# KiCad board Spielmodul.kicad_pcb (continued)
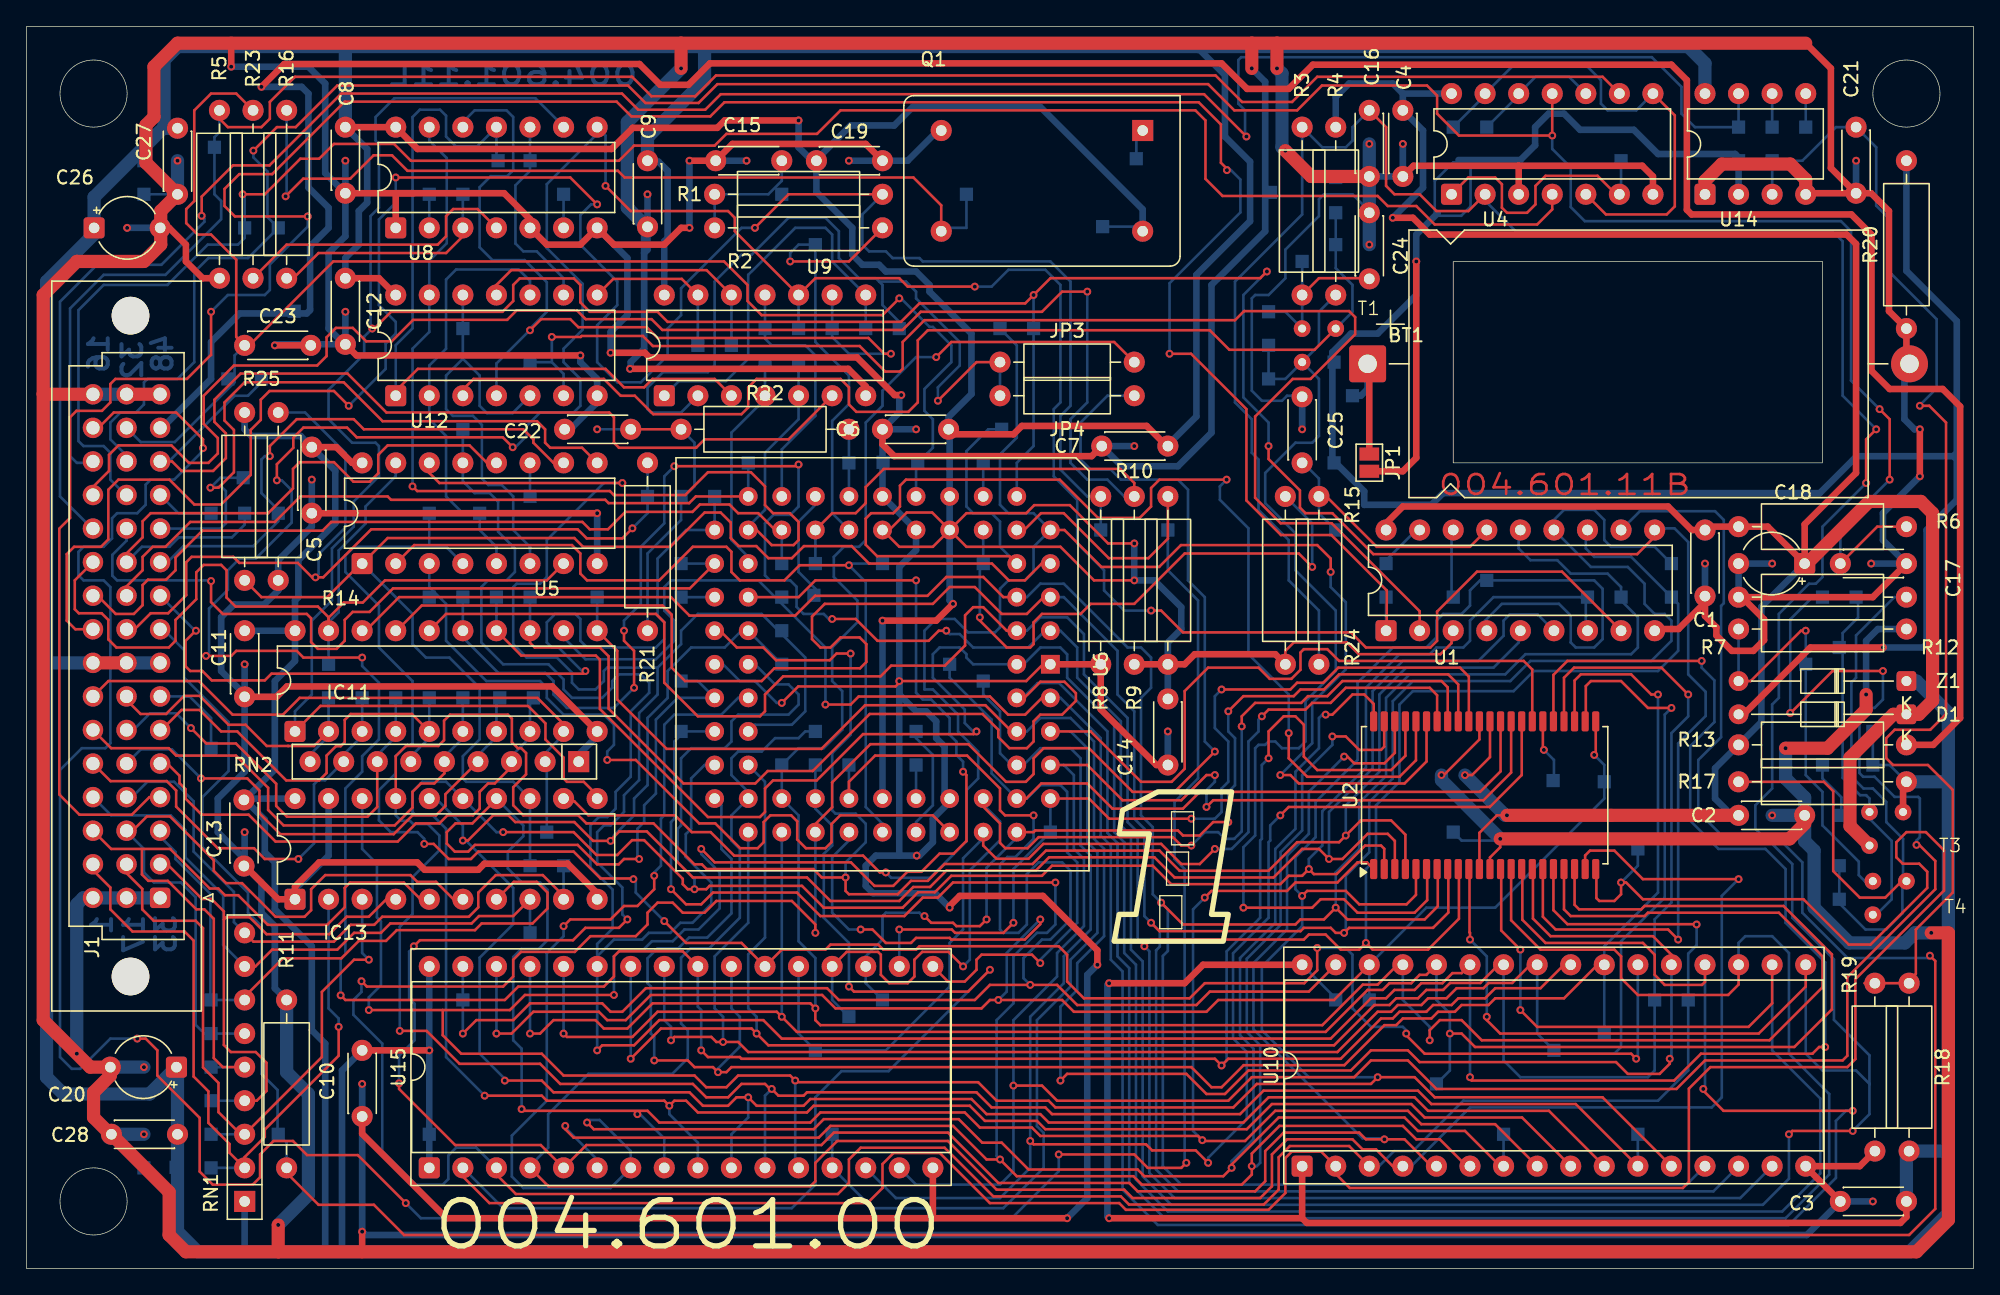
[diagram p0: board, top side]
## Routing (per net, layer and track width the routed paths; a pad name or vN(x,y) marks a point on that pad's centre or on a via; arc(x,y) is an arc through that point) (continued)
A2: length 285.2
  Top w0.2: 56.26,13.59 55.88,13.97 54.1,13.97 53.09,12.95 51.44,12.95 50.42,13.97 40.39,13.97 38.86,15.49 32.77,15.49 30.28,17.98 v1(28.24,17.98) ; v1(56.39,13.59) 56.9,13.08 58.8,13.08 59.05,13.34 71.88,13.34 73.03,12.19 77.09,12.19 77.6,11.68 91.82,11.68 93.6,13.46 105.28,13.46 106.3,12.45 117.22,12.45 U10.11 ; 52.48,48.26 53.75,46.99 55.75,46.99 56.72,46.02 60.78,46.02 61.29,46.53 v1(62.36,46.53) ; IC13.17 27.94,38.77 28.71,39.54 31.16,39.54 31.6,39.98 31.6,41.45 32.05,41.91 36.42,41.91 36.73,41.61 36.73,39.83 37.19,39.37 37.44,39.37 37.8,39.01 37.8,37.4 36.83,36.42 36.83,35.05 37.59,34.29 41.76,34.29 42.37,33.68 47.45,33.68 50.55,30.58 51.1,30.58 51.46,30.23 59.54,30.23 60.17,29.59 v1(61.98,29.59) 61.98,28.58 62.23,28.32 65.91,28.32 66.93,29.34 68.2,29.34 69.47,30.61 76.12,30.61 77.14,31.62 85.72,31.62 87.25,30.1 93.98,30.1 96.14,32.26 99.31,32.26 v1(99.82,32.77) 100.97,33.91 103.25,33.91 104.33,32.83 U2.4
  Bottom w0.2: 112.9,48.13 112.9,47.37 111,45.47 104.39,45.47 102.36,43.43 102.36,37.59 99.82,35.05 v1(99.82,32.77) ; IC13.17 27.94,34.29 28.35,33.88 29.01,33.88 29.26,33.63 30.38,33.63 31.24,32.77 31.24,31.65 29.21,29.62 29.21,26.82 28.24,25.86 v1(28.24,17.98) ; v1(61.98,29.59) 61.98,30.73 63.5,32.26 63.5,33.66 62.74,34.42 61.21,34.42 60.96,34.67 60.96,38.99 62.36,40.39 v1(62.36,46.53) ; v1(56.39,13.59) 55.88,13.08 U15.11 ; U10.11 TP93.1
A3: length 257.4
  Top w0.2: v1(36.19,14.22) 38.99,14.22 39.88,13.34 50.16,13.34 51.18,12.32 53.09,12.32 53.72,12.95 v1(54.61,12.95) 55.25,12.32 58.8,12.32 59.31,12.83 71.5,12.83 72.64,11.68 76.71,11.68 77.34,11.05 92.07,11.05 93.98,12.95 105.03,12.95 106.04,11.94 115.19,11.94 U10.10 ; U2.3 103.53,32.36 103,32.89 101.47,32.89 99.57,30.99 v1(98.55,30.99) 97.79,31.75 96.52,31.75 94.36,29.59 86.87,29.59 85.34,31.11 77.37,31.11 76.37,30.12 69.62,30.12 68.37,28.87 67.1,28.87 66.04,27.81 60.83,27.81 59.05,29.59 50.42,29.59 46.94,33.07 44.86,33.07 44.2,32.41 v1(44.2,32.36) 42.88,32.36 41.45,33.78 36.98,33.78 36.47,34.29 35.31,34.29 33.4,32.39 v1(33.02,32.39)
  Bottom w0.2: v1(54.61,12.95) 54.61,11.43 53.34,10.16 U15.10 ; 30.99,35.56 33.02,33.53 v1(33.02,32.39) 33.25,32.39 36.83,28.8 36.83,26.06 34.29,23.52 34.29,16.26 36.19,14.35 v1(36.19,14.22) ; v1(44.2,32.36) 44.45,32.61 44.45,32.77 45.97,34.29 45.97,35.56 46.99,36.58 46.99,41.66 48.51,43.18 48.51,45.21 50.29,46.99 52.83,46.99 54.1,48.26 ; U1.6 114.34,49.49 112.23,49.49 111.76,49.02 111.76,47.88 109.85,45.97 104.14,45.97 101.85,43.69 101.85,37.85 98.55,34.54 v1(98.55,30.99) ; U6.34 TP61.1
A4: length 267.4
  Top w0.2: v1(34.67,13.08) 38.99,13.08 39.37,12.7 48.26,12.7 v1(48.64,12.32) 49.02,12.7 49.91,12.7 50.8,11.81 59.05,11.81 59.56,12.32 71.37,12.32 72.52,11.18 76.45,11.18 77.09,10.54 92.33,10.54 94.23,12.45 104.78,12.45 105.79,11.43 113.16,11.43 U10.9 ; v1(36.07,33.02) 41.4,33.02 43.13,31.29 44.7,31.29 45.82,32.41 46.74,32.41 49.66,29.49 49.66,29.08 50.04,28.7 v1(50.55,28.7) 51.44,28.7 51.69,28.96 58.67,28.96 60.33,27.31 66.29,27.31 67.46,28.47 68.73,28.47 69.98,29.72 76.84,29.72 77.6,30.48 85.22,30.48 86.61,29.08 94.87,29.08 95.5,29.72 96.52,29.72 v1(97.03,30.23) 97.41,29.84 99.12,29.84 101.28,32 102.49,32 102.73,31.76 U2.2
  Bottom w0.2: 55.12,45.72 56.64,44.2 57.66,44.2 58.42,43.43 58.42,42.67 57.66,41.91 53.85,41.91 53.34,41.4 53.34,39.88 52.83,39.37 50.29,39.37 49.53,38.61 49.53,33.53 49.28,33.27 49.28,30.73 50.55,29.46 v1(50.55,28.7) ; v1(36.07,33.02) 35.56,33.02 IC13.15 31.75,36.83 29.96,36.83 29.21,36.08 29.21,34.54 29.46,34.29 30.73,34.29 31.75,33.27 31.75,16 v1(34.67,13.08) ; U15.9 50.8,9.53 48.64,11.68 v1(48.64,12.32) ; 117.98,48.39 117.98,50.42 ; v1(97.03,30.23) 97.03,30.99 98.04,32 98.04,34.6 101.35,37.91 101.35,43.94 103.89,46.48 106.17,46.48 106.68,46.99 108.71,46.99 109.22,47.5 109.22,49.02 111,50.8 117.6,50.8 117.86,50.55
A5: length 189.1
  Top w0.2: 35.56,35.5 33.74,33.68 32.46,33.68 31.8,33.02 31.8,32.16 32.41,31.55 33.43,31.55 33.93,32.05 41.71,32.05 43.18,30.58 44.81,30.58 45.21,30.99 v1(46.36,30.99) ; U2.1 101.42,30.73 100.71,30.73 99.19,29.21 96.01,29.21 95.38,28.58 89.66,28.58 v1(89.15,28.07) ; U10.8 111.12,10.92 105.54,10.92 104.52,11.94 94.49,11.94 92.2,9.65 89.03,9.65 v1(88.96,9.72) 88.65,10.03 76.71,10.03 76.07,10.67 72.14,10.67 70.99,11.81 60.07,11.81 59.31,11.05 47.88,11.05 46.99,11.94 37.59,11.94 v1(37.47,12.06)
  Bottom w0.2: TP67.1 50.8,44.45 U6.37 49.28,43.18 47.62,41.53 47.62,35.94 46.74,35.05 46.74,33.78 46.23,33.27 46.23,31.11 v1(46.36,30.99) ; v1(37.47,12.06) 37.47,16.64 36.83,17.27 36.83,23.57 37.44,24.18 38.76,24.18 39.42,24.84 39.42,28.65 38.86,29.21 37.49,29.21 36.42,30.28 36.42,31.55 37.59,32.72 37.59,33.53 IC13.14 ; v1(88.96,9.72) 88.26,10.41 88.26,27.18 v1(89.15,28.07) ; v1(46.23,11.68) 46.29,11.75 46.36,11.75 48.26,9.84 U15.8
A6: length 185.6
  Top w0.2: v1(47.5,29.72) 47.5,28.7 46.23,27.43 45.21,27.43 44.2,26.42 41.15,26.42 v1(40.64,25.91) ; v1(42.42,11.05) 42.93,10.54 59.56,10.54 60.33,11.3 70.54,11.3 72.32,9.53 73.79,9.53 75.82,7.49 84.07,7.49 84.58,6.99 90.55,6.99 v1(91.19,7.62) 91.19,7.87 94.74,11.43 104.27,11.43 105.28,10.41 108.84,10.41 111.51,7.75 ; v1(98.3,41.91) 98.81,41.91 100.33,43.43 101.22,43.43 101.93,42.72 101.93,41.4
  Bottom w0.2: U10.7 TP94.1 ; U6.38 53.85,43.18 52.58,41.91 49.02,41.91 48.26,41.15 48.26,34.29 48.01,34.04 48.01,30.48 47.5,29.97 v1(47.5,29.72) ; v1(40.64,25.91) 40.64,25.15 39.37,23.88 39.37,12.7 36.73,10.06 36.73,6.96 37.59,6.1 44.2,6.1 U15.7 45.72,8.89 43.37,11.24 42.61,11.24 v1(42.42,11.05) ; v1(91.19,7.62) 91.19,8.13 92.84,9.78 92.84,16.64 91.82,17.65 91.82,23.5 94.49,26.16 94.49,31.75 96.01,33.27 96.01,37.59 97.79,39.37 97.79,41.66 98.04,41.91 v1(98.3,41.91)
A7: length 190.7
  Top w0.2: 108.97,7.75 106.93,9.78 105.16,9.78 104.14,10.79 94.81,10.79 92.71,8.7 v1(92.71,7.75) 92.71,7.11 91.95,6.35 84.39,6.35 83.76,6.99 74.93,6.99 v1(73.66,8.25) 72.64,8.25 70.1,10.79 60.83,10.79 59.94,9.91 41.4,9.91 40.77,10.54 v1(40.77,10.79) ; 102.73,41.4 102.73,39.49 102.49,39.24 100.84,39.24 99.82,40.26 v1(98.81,40.26) ; v1(48.77,28.7) 49.91,27.56 51.05,27.56 51.94,28.45 58.29,28.45 60.07,26.67 66.42,26.67 67.82,28.07 68.96,28.07 70.1,29.21 v1(77.85,29.21)
  Bottom w0.2: v1(77.85,29.21) 77.85,26.03 77.22,25.4 76.45,25.4 74.68,23.62 74.68,20.07 73.41,18.8 73.41,8.51 v1(73.66,8.25) ; v1(40.77,10.79) 40.77,10.67 43.18,8.25 ; v1(48.77,28.7) 48.77,33.78 49.02,34.04 49.02,39.88 49.78,40.64 U6.39 ; v1(92.71,7.75) 93.09,7.75 93.34,8 93.34,16.89 92.33,17.91 92.33,23.44 94.89,26 94.89,31.52 96.52,33.15 96.52,37.34 98.81,39.62 v1(98.81,40.26)
A8: length 253
  Top w0.2: v1(45.47,26.42) 44.83,25.78 42.29,25.78 41.35,24.84 29.77,24.84 v1(29.31,24.38) ; 106.3,7.75 104.27,9.78 v1(102.74,9.78) 101.35,9.78 100.84,10.29 95.12,10.29 93.73,8.89 93.73,6.6 92.96,5.84 84.07,5.84 83.44,6.48 73.53,6.48 69.72,10.29 61.09,10.29 60.15,9.35 42.37,9.35 U15.5 38.91,9.35 32.44,9.35 28.19,13.59 v1(28.19,14.02) ; v1(99.69,38.73) 99.95,38.73 100.46,38.23 102.74,38.23 103.53,39.02 103.53,41.4 ; U5.14 30.48,60.2 31.24,59.44 v1(45.08,59.44)
  Bottom w0.2: U6.40 55.12,41.15 57.91,41.15 58.93,42.16 58.93,46.23 55.63,49.53 50.8,49.53 49.53,48.26 49.53,47.24 47.75,45.47 ; 47.75,45.47 43.94,45.47 43.69,45.21 43.69,44.45 43.05,43.81 41.78,43.81 41.27,44.32 41.27,45.09 40.13,46.23 37.85,46.23 36.83,47.24 36.83,51.56 37.08,51.82 38.86,51.82 39.37,52.32 39.37,55.12 43.69,59.44 v1(45.08,59.44) ; 47.75,45.47 47.75,43.43 46.36,42.04 46.36,36.96 45.21,35.81 45.21,34.54 44.2,33.53 43.69,33.53 43.18,33.02 43.18,30.73 45.08,28.83 45.08,26.8 v1(45.47,26.42) ; v1(99.69,38.73) 97.03,36.07 97.03,32.89 95.38,31.24 95.38,25.65 92.84,23.11 92.84,18.1 101.08,9.86 102.67,9.86 v1(102.74,9.78) ; v1(28.19,14.02) 28.19,16.1 29.36,17.27 29.36,20.04 28.96,20.45 28.96,23.98 29.31,24.33 v1(29.31,24.38)
A9: length 249.2
  Top w0.2: v1(126.75,45.97) 116.59,45.97 115.53,44.92 115.53,41.4 ; U10.27 108.59,22.35 107.89,22.35 107.13,21.59 105.54,21.59 105.03,21.08 103.5,21.08 102.87,20.45 101.73,20.45 98.68,17.4 57.15,17.4 55.75,18.8 47.88,18.8 45.97,16.89 43.56,16.89 v1(43.18,16.51) ; v1(109.22,14.48) 109.22,14.35 109.35,14.22 124.66,14.22 126.7,16.26 135.13,16.26 135.64,16.76 v1(136.09,16.76)
  Bottom w0.2: TP85.1 U5.13 33.02,59.56 33.91,58.67 35.05,58.67 35.69,58.04 35.69,55.75 36.96,54.48 36.96,52.7 36.32,52.07 34.92,52.07 34.42,51.56 34.42,47.37 36.07,45.72 39.5,45.72 40.64,44.58 40.64,43.81 41.27,43.18 43.56,43.18 44.32,43.94 44.32,44.45 44.83,44.96 46.48,44.96 47.12,44.32 47.12,43.56 45.72,42.16 45.72,37.21 44.58,36.07 44.58,34.8 43.94,34.16 43.31,34.16 42.67,33.53 42.67,30.35 44.35,28.68 44.35,25.73 43.18,24.56 U15.27 v1(43.18,16.51) ; U10.27 v1(109.22,14.48) ; U6.41 51.31,38.1 50.29,37.08 50.29,33.27 49.89,32.87 49.89,31.14 51.82,29.21 51.82,27.58 50.39,26.16 49.48,26.16 48.72,25.4 47.09,25.4 46.58,24.89 44.45,24.89 43.18,23.62 43.18,23.37 ; v1(136.09,16.76) 136.09,23.16 133.1,26.16 133.1,30.23 131.57,31.75 128.02,31.75 125.88,33.88 125.88,39.52 127.71,41.35 127.71,44.5 126.75,45.47 v1(126.75,45.97)
A10: length 161
  Top w0.2: 111.38,22.99 110,21.61 107.72,21.61 107.19,21.08 105.92,21.08 105.28,20.45 103.63,20.45 103.12,19.94 101.98,19.94 98.93,16.89 56.13,16.89 v1(55.25,17.78) 54.86,18.16 48.01,18.16 v1(45.72,15.88) ; v1(125.73,43.43) 123.7,45.47 117.09,45.47 116.33,44.7 116.33,41.4
  Bottom w0.2: U10.26 111.76,15.75 113.03,14.48 122.68,14.48 123.19,14.99 123.19,26.42 124.46,27.69 124.46,40.51 125.73,41.78 v1(125.73,43.43) ; v1(55.25,17.78) 55.25,19.05 54.61,19.69 54.61,23.77 55.88,25.04 55.88,36.83 U6.42 ; U15.26 v1(45.72,15.88)
A11: length 147.8
  Top w0.2: 118.87,22.99 116.33,20.45 111.12,20.45 110.62,19.94 108.59,19.94 108.08,19.43 106.81,19.43 106.3,18.92 104.14,18.92 103.63,18.42 102.74,18.42 99.72,15.39 92.09,15.39 90.42,13.72 89.66,13.72 88.14,15.24 53.34,15.24 52.96,14.86 v1(52.32,14.86) 51.94,15.24 50.55,15.24 50.04,15.75 v1(47.5,15.75) ; 117.13,41.4 117.13,44.49 117.6,44.96 121.41,44.96 122.94,43.43 v1(123.44,43.43)
  Bottom w0.2: TP97.1 U10.23 119.38,24.38 123.44,28.45 v1(123.44,43.43) ; v1(47.5,15.75) 47.5,17.53 47.24,17.78 47.24,21.34 46.99,21.59 46.99,23.47 47.75,24.23 49.33,24.23 50.14,25.04 51.51,25.04 53.34,26.87 53.34,30.99 52.58,31.75 52.58,35.05 U6.43 ; v1(52.32,14.86) 52.32,15.14 53.97,16.79 53.97,19.05 53.34,19.69 U15.23
A12: length 141.2
  Top w0.2: 117.98,41.27 117.98,44.07 118.36,44.45 120.65,44.45 122.68,42.42 v1(124.46,42.42) ; v1(48.77,17.27) 49.02,17.53 51.82,17.53 52.2,17.14 v1(52.7,17.14) 53.85,17.14 54.61,16.38 99.19,16.38 102.23,19.43 103.25,19.43 103.76,19.94 105.54,19.94 106.04,20.45 107.44,20.45 108.2,21.21 110.24,21.21 110.64,21.61 112.41,21.61 113.79,22.99
  Bottom w0.2: v1(124.46,42.42) 123.95,41.91 123.95,28.07 120.65,24.77 120.65,16.76 120.14,16.26 115.82,16.26 114.3,17.78 U10.25 ; U6.44 54.61,26.16 52.07,23.62 52.07,19.69 52.7,19.05 v1(52.7,17.14) ; U15.25 48.26,18.8 48.77,18.29 v1(48.77,17.27)
A13: length 181.5
  Top w0.2: v1(129.54,29.46) 122.3,29.46 120.14,31.62 118.3,31.62 117.93,31.25 U2.21 ; U15.4 39.5,6.22 59.31,6.22 59.69,6.6 59.69,8 61.34,9.65 69.72,9.65 73.41,5.97 83.06,5.97 83.69,5.33 93.34,5.33 94.23,6.22 94.23,8.64 95.38,9.78 100.33,9.78 101.09,9.02 102.11,9.02 103.38,7.75 U10.4
  Bottom w0.2: 104.78,7.75 109.22,12.19 127.51,12.19 128.27,12.95 128.27,28.19 v1(129.54,29.46) ; TP65.1 58.93,40.64 58.42,40.13 56.64,40.13 55.63,39.12 53.85,39.12 53.34,38.61 53.34,37.34 54.61,36.07 ; U6.45 53.34,34.29 53.34,32.39 53.97,31.75 53.97,26.54 51.66,24.23 50.25,24.23 49.53,23.51 49.53,18.54 50.04,18.03 50.04,15.9 48.87,14.73 42.52,14.73 39.47,11.68 39.47,9.14 38.1,7.77
A14: length 157.2
  Top w0.2: U10.28 105.92,22.22 105.41,22.22 104.78,21.59 103.12,21.59 102.62,21.08 101.47,21.08 98.3,17.91 58.29,17.91 v1(57.15,19.05) 56.77,19.43 47.75,19.43 45.85,17.53 40.89,17.53 v1(40.64,17.78) ; U2.20 117.13,27.52 117.47,27.18 122.17,27.18 122.43,27.43 132.94,27.43 136.6,23.77 136.6,19.61 133.76,16.76 109.6,16.76 108.59,17.78 v1(107.7,17.78)
  Bottom w0.2: U15.28 v1(40.64,17.78) ; U10.28 106.68,20.32 107.7,19.3 v1(107.7,17.78) 107.7,14.99 TP125.1 ; U6.46 v1(57.15,19.05)
A15: length 217.6
  Top w0.2: v1(68.83,68.96) 69.98,70.1 82.3,70.1 JP3.2 ; U2.19 116.33,27.18 116.84,26.67 122.43,26.67 122.68,26.92 132.59,26.92 135.89,23.62 135.89,21.29 131.88,17.27 110.11,17.27 108.59,18.8 106.93,18.8 106.17,18.03 v1(106.17,17.27) ; v1(38.1,17.78) 38.86,17.78 39.88,18.8 43.05,18.8 43.69,18.16 45.47,18.16 47.37,20.07 59.31,20.07 v1(59.69,19.69) 59.69,18.8 60.07,18.42 98.04,18.42 101.11,21.48 102.23,21.48 103.74,22.99
  Bottom w0.2: U10.29 104.14,20.32 106.17,18.29 v1(106.17,17.27) ; v1(68.83,68.96) 67.31,68.96 64.77,66.42 64.77,65.28 63.5,64.01 63.5,55.12 62.99,54.61 61.85,54.61 61.09,53.85 61.09,52.32 62.87,50.55 62.87,48.89 60.96,46.99 60.96,44.45 61.72,43.69 61.72,40.77 60.33,39.37 58.42,39.37 TP19.1 U6.47 58.42,34.29 58.42,24.77 59.69,23.5 v1(59.69,19.69) ; U15.29 v1(38.1,17.78)
A16: length 279.1
  Top w0.2: 35.56,7.11 37.03,5.64 61.39,5.64 62.23,6.48 62.23,8.25 63.12,9.14 69.47,9.14 73.15,5.46 82.8,5.46 83.42,4.85 93.62,4.85 94.74,5.97 94.74,8.42 95.59,9.27 100.08,9.27 U10.3 ; v1(89.92,39.12) 86.87,36.07 83.69,36.07 80.39,39.37 76.96,39.37 76.2,38.61 76.2,37.41 75.62,36.83 74.12,36.83 71.27,39.67 63.86,39.67 60.96,36.78 60.96,34.9 59.69,33.63 ; U2.18 115.53,27.11 116.59,26.06 126.34,26.06 v1(126.37,26.03) ; v1(25.35,21.74) 25.76,21.34 36.07,21.34 36.83,22.1 36.83,23.37 37.42,23.96 41.49,23.96 42.67,25.15 46.1,25.15 46.99,26.03 46.99,26.92 47.75,27.69 48.89,27.69 49.66,26.92 51.31,26.92 52.2,27.81 57.91,27.81 59.69,26.03 v1(59.69,25.4)
  Bottom w0.2: v1(25.35,21.74) 25.35,20.93 24.74,20.32 24.74,19.2 26.92,17.02 26.92,8.89 29.46,6.35 31.5,6.35 31.92,6.77 31.92,8.55 32.51,9.14 34.04,9.14 U15.3 ; U10.3 102.34,7.75 103.48,8.89 104.9,8.89 108.71,12.7 123.44,12.7 125.73,14.99 TP98.1 125.73,23.83 126.37,24.46 v1(126.37,26.03) ; v1(89.92,39.12) 89.15,39.88 89.15,50.8 87.88,52.07 87.88,58.93 87.12,59.69 82.8,59.69 82.04,60.45 80.52,60.45 79.76,61.21 79.76,64.01 81.79,66.04 JP4.2 ; U6.48 v1(59.69,25.4)
A17: length 268.7
  Top w0.2: 99.06,7.16 100.13,6.1 125.32,6.1 125.78,6.55 125.78,13.61 127.41,15.24 137.77,15.24 138.38,15.85 138.38,21.89 145.08,28.6 145.08,31.65 143.71,33.02 142.24,33.02 141.48,32.26 141.48,31.11 141.96,30.63 143.21,30.63 143.81,30.02 143.81,28.8 139.52,24.51 137.88,24.51 134.45,27.94 122.3,27.94 121.03,29.21 v1(120.65,29.21) 120.65,28.32 120.14,27.81 119,27.81 118.78,28.03 118.78,30.1 ; v1(72.9,22.61) 71.25,20.95 62.61,20.95 v1(62.23,21.34) ; 33.02,6.96 35.03,4.95 63.63,4.95 64.77,6.1 64.77,7.91 65.61,8.74 69.11,8.74 72.9,4.95 82.68,4.95 83.19,4.44 93.98,4.44 95.25,5.72 95.25,8.36 95.73,8.85 97.96,8.85 U10.2
  Bottom w0.2: TP18.1 U6.49 59.69,34.8 60.96,33.53 60.96,32 60.33,31.37 60.33,26.54 62.23,24.64 v1(62.23,21.34) ; TP92.1 121.92,30.48 v1(120.65,29.21) ; U15.2 36.07,4.57 57.91,4.57 59.69,6.35 59.69,12.95 61.67,14.94 65.23,14.94 v1(72.9,22.61)
A18: length 139.3
  Top w0.2: v1(118.62,38.86) 118.73,38.98 118.73,41.4 ; U10.30 98.93,20.32 90.17,20.32 89.28,19.43 79.25,19.43 78.36,20.32 v1(73.53,20.32) 72.9,20.32 72.26,19.69 61.21,19.69 60.2,20.7 47.24,20.7 45.34,18.8 43.94,18.8 43.31,19.43 38.35,19.43 36.7,17.78 v1(35.56,17.78) ; v1(63.12,25.65) 64.01,25.65 65.02,24.64 66.93,24.64 67.31,25.02 69.85,25.02 69.98,24.89 75.54,24.89 76.71,26.06 v1(76.71,26.42)
  Bottom w0.2: TP106.1 119.38,35.56 111.12,27.31 105.92,27.31 U10.30 TP52.1 ; 119.38,36.58 119.38,38.1 v1(118.62,38.86) ; v1(76.71,26.42) 74.17,23.88 74.17,20.95 v1(73.53,20.32) ; v1(63.12,25.65) 62.23,25.65 60.96,26.92 60.96,31.11 62.23,32.39 U6.50 ; U15.30 v1(35.56,17.78)
A19: length 128.1
  Top w0.2: v1(33.02,17.78) 34.04,18.8 36.83,18.8 38.1,20.07 43.56,20.07 44.2,19.43 45.08,19.43 46.86,21.21 60.58,21.21 61.47,20.32 71.75,20.32 72.9,21.46 v1(75.95,21.46) 77.98,21.46 79.5,19.94 88.52,19.94 89.53,20.95 97.03,20.95 U10.31 ; v1(76.2,34.29) 74.04,34.29 73.66,34.67 73.66,36.32 71.17,38.81 64.21,38.81 62.23,36.83 U6.51
  Bottom w0.2: U6.51 TP20.1 ; v1(75.95,21.46) 75.44,21.97 75.44,23.5 76.84,24.89 77.47,24.89 78.99,26.42 78.99,30.1 78.36,30.73 76.58,30.73 75.69,29.84 75.69,26.03 75.06,25.4 73.91,25.4 73.66,25.65 73.66,30.58 74.22,31.14 74.83,31.14 76.2,32.51 v1(76.2,34.29) ; U15.31 v1(33.02,17.78)
A20: length 64.2
  Top w0.2: v1(62.23,53.21) 58.5,53.21 57.35,52.07 53.97,52.07 53.34,52.7 53.34,54.23 52.96,54.61 50.42,54.61 47.88,52.07 42.42,52.07 41.91,52.58 41.91,54.1 41.27,54.74 29.34,54.74 U5.2
  Bottom w0.2: TP143.1 62.36,53.34 v1(62.23,53.21) 63.5,51.94 63.5,34.92 64.77,33.66 U6.52
A21: length 8.7
  Bottom w0.2: U6.54 67.31,33.78 68.58,35.05 68.58,38.86 67.31,40.13 TP22.1
A22: length 2.5
  Bottom w0.2: U6.55 TP23.1
A23: length 59.8
  Top w0.2: U6.56 68.58,34.29 61.57,34.29 60.91,33.63 60.91,32.26 60.45,31.8 58.98,31.8 58.32,32.46 58.32,33.83 57.86,34.29 56.29,34.29 55.78,33.78 55.78,32.26 55.32,31.8 54,31.8 52.12,33.68 50.9,33.68 46.1,38.48 v1(43.94,38.48)
  Bottom w0.2: v1(43.94,38.48) 43.94,39.12 44.45,39.62 44.45,41.15 43.69,41.91 40.64,41.91 39.37,43.18 39.37,43.94 38.86,44.45 34.8,44.45 31.75,47.5 31.75,50.29 30.48,51.56 U5.3
AS: length 100.6
  Top w0.2: 25.04,53.09 22.76,50.8 17.78,50.8 R25.1 ; U5.1 27.33,55.27 41.45,55.27 42.11,54.61 48.72,54.61 51.31,57.2 52.53,57.2 53.29,56.44 53.29,55.27 53.9,54.66 55.22,54.66 56.13,53.75 57.91,53.75 58.83,54.66 62.43,54.66 63.75,53.34 73.05,53.34 74.32,52.07 75.54,52.07 76.81,53.34 U6.7
  Bottom w0.2: TP69.1 IC13.13 36.83,36.83 33.27,36.83 33.02,37.08 33.02,38.77 34.29,40.04 34.29,43.94 32,46.23 30.23,46.23 29.21,47.24 29.21,49.53 U5.1
CLK: length 111.3
  Top w0.2: 16.87,69.85 23.22,76.2 52.78,76.2 54.56,74.42 54.56,73.2 55.63,72.14 64.77,72.14 v1(66.04,73.41) ; 16,70.36 15.88,70.48 15.88,76.33 13.97,78.23 12.95,78.23 12.09,79.1 12.09,80.16 12.7,80.77 12.7,87.63 13.97,88.9 15.88,88.9 R23.2
  Bottom w0.2: J1.b15 8.65,62.53 11.22,62.53 15.75,67.06 15.75,69.09 C23.1 ; v1(66.04,73.41) 66.17,73.41 68.33,71.25 68.58,71.25 69.98,69.85 69.98,68.58 67.94,66.55 67.94,64.9 68.58,64.26 68.58,62.1 67.82,61.34 ; U6.16 67.31,60.83
D0: length 226.6
  Top w0.2: v1(85.85,27.69) 87.5,26.03 96.01,26.03 96.39,26.42 98.17,26.42 v1(99.06,27.31) 99.95,26.42 105.79,26.42 106.78,27.41 106.78,30.1 ; 25.65,48.26 28.19,50.8 48.77,50.8 50.16,49.4 58.17,49.4 59.66,50.9 68.17,50.9 69.6,52.32 72.39,52.32 73.91,50.8 U6.6
  Bottom w0.2: U6.6 75.69,50.8 76.71,51.82 78.49,51.82 83.31,46.99 84.33,46.99 85.09,46.23 85.09,43.94 84.33,43.18 84.33,34.29 85.22,33.4 85.22,28.32 v1(85.85,27.69) 86.36,27.18 86.36,24.03 85.98,23.65 85.98,7.75 87.38,6.35 125.6,6.35 U10.13 ; 112.9,55.75 112.9,54.48 113.79,53.59 115.82,53.59 116.84,52.58 119.63,52.58 120.65,51.56 120.65,50.55 121.92,49.28 121.92,46.99 121.41,46.48 113.41,46.48 111.89,44.96 104.65,44.96 102.87,43.18 102.87,37.28 100.84,35.25 100.84,31.75 99.06,29.97 v1(99.06,27.31)
D1: length 257
  Top w0.2: 107.58,30.1 107.58,26.94 106.43,25.78 100.08,25.78 v1(99.69,25.4) 99.06,25.4 98.68,25.78 96.65,25.78 96.39,25.53 85.72,25.53 v1(85.09,26.16) ; 76.96,50.8 75.69,49.53 73.79,49.53 71.75,51.56 69.85,51.56 68.58,50.29 60.4,50.29 59.44,49.33 59.44,47.62 60.07,46.99 60.83,46.99 61.59,47.75 63.04,47.75 63.55,47.24 63.55,45.9 63.07,45.42 56.59,45.42 55.63,44.45 49.83,44.45 48.82,45.47 48.82,49.48 48.13,50.17 29.91,50.17 28,48.26
  Bottom w0.2: U10.14 127.63,5.84 87.12,5.84 85.47,7.49 85.47,24.08 85.75,24.36 85.75,25.5 v1(85.09,26.16) 84.58,26.67 84.58,33.27 83.82,34.04 83.82,42.16 82.55,43.43 82.55,46.74 78.49,50.8 U6.5 ; 124.21,53.59 123.19,54.61 119.89,54.61 119.38,55.12 119.38,56.64 118.62,57.4 116.33,57.4 115.44,56.52 ; U1.13 118.36,53.09 121.16,53.09 122.43,51.82 122.43,50.29 123.19,49.53 123.95,49.53 124.46,49.02 124.46,47.5 122.94,45.97 113.79,45.97 112.27,44.45 104.9,44.45 103.38,42.93 103.38,37.08 101.6,35.31 101.6,31.5 99.82,29.72 99.82,25.53 v1(99.69,25.4)
D2: length 239.9
  Top w0.2: IC11.16 31.75,49.53 47.62,49.53 48.26,48.89 48.26,44.32 50.8,41.78 55.5,41.78 55.88,42.16 55.88,43.43 57.25,44.81 64.62,44.81 65.43,45.62 69.49,45.62 71.02,47.14 71.02,49.43 71.63,50.04 72.39,50.04 74.17,48.26 U6.4 ; 108.38,30.1 108.38,26.47 106.04,24.13 101.85,24.13 v1(101.35,24.64) 100.84,24.13 99.44,24.13 98.3,25.27 97.03,25.27 96.65,24.89 85.09,24.89 v1(84.58,24.38)
  Bottom w0.2: U10.15 129.67,5.33 86.87,5.33 84.96,7.24 84.96,24 v1(84.58,24.38) 84.07,24.89 84.07,33.02 83.31,33.78 83.31,41.66 80.01,44.96 80.01,48.01 78.74,49.27 76.7,49.27 75.69,48.26 U6.4 ; 117.98,55.75 117.98,54.48 118.62,53.85 121.41,53.85 124.97,50.29 124.97,46.74 123.44,45.21 114.05,45.21 112.52,43.69 104.9,43.69 103.89,42.67 103.89,36.83 102.11,35.05 102.11,30.99 101.35,30.23 v1(101.35,24.64)
D3: length 301.7
  Top w0.2: v1(110.49,19.05) 110.49,18.8 111.51,17.78 131.06,17.78 134.62,21.34 U10.17 ; v1(58.42,60.83) 58.29,60.71 v1(49.02,60.71) ; v1(60.96,49.15) 62.74,49.15 64.39,47.5 68.26,47.5 69.02,48.26 v1(69.6,48.26) ; v1(45.21,48.26) 45.21,47.5 45.97,46.74 v1(45.97,43.94) ; v1(109.22,24.89) 109.22,25.4 109.18,25.44 109.18,30.1 ; v1(138.18,10.41) 133.6,10.41 v1(133.35,10.16)
  Bottom w0.2: v1(49.02,60.71) 48.26,59.94 48.26,56.39 46.48,54.61 46.48,50.29 45.21,49.02 v1(45.21,48.26) ; v1(138.18,10.41) 139.45,11.68 139.45,13.97 ; v1(45.97,43.94) 44.45,42.42 40.89,42.42 39.88,43.43 39.88,44.45 39.26,45.06 35.71,45.06 33.02,47.75 ; v1(109.22,24.89) 110.49,23.62 v1(110.49,19.05) ; U1.11 122.07,57.3 127.76,57.3 128.42,56.64 128.42,50.34 128.22,50.14 128.22,40.21 126.49,38.48 126.49,34.54 128.78,32.26 131.95,32.26 133.6,30.61 133.6,26.54 136.75,23.39 136.75,18.82 139.45,16.13 139.45,13.97 ; IC11.15 TP73.1 ; 139.45,13.97 138.43,14.99 135.89,14.99 134.62,16.26 U10.17 ; U6.3 78.23,48.26 79.5,46.99 79.5,44.7 82.8,41.4 82.8,33.53 83.57,32.77 83.57,24.13 84.45,23.24 84.45,6.99 86.61,4.83 131.38,4.83 133.35,6.79 v1(133.35,10.16) ; v1(69.6,48.26) 69.85,48.01 70.61,48.01 71.63,46.99 75.79,46.99 77.06,48.26 ; v1(58.42,60.83) 58.42,57.66 57.78,57.02 56.52,57.02 55.88,56.39 55.88,52.45 56.26,52.07 57.78,52.07 58.27,51.59 58.27,50.06 58.8,49.53 60.33,49.53 60.71,49.15 v1(60.96,49.15)
D4: length 216.8
  Top w0.2: IC11.14 37.44,46.38 43.08,46.38 43.38,46.08 43.38,42.34 51.56,34.16 55.5,34.16 55.88,34.54 55.88,36.32 56.49,36.93 59.79,36.93 63.3,40.44 71.68,40.44 v1(71.88,40.64) ; v1(113.03,19.56) 114.3,18.29 130.3,18.29 132.08,20.07 U10.18 ; 111.58,30.1 111.58,25.58 v1(113.03,24.13)
  Bottom w0.2: U6.2 71.63,45.72 71.12,46.23 71.12,46.48 70.61,46.99 69.09,46.99 68.58,46.48 68.58,44.7 70.99,42.29 70.99,41.28 71.63,40.64 v1(71.88,40.64) ; IC11.14 TP72.1 ; U10.18 132.08,16.51 135.72,12.87 135.72,7.2 132.84,4.32 86.36,4.32 83.95,6.73 83.95,22.99 83.06,23.88 83.06,32.26 82.3,33.02 82.3,41.15 78.74,44.7 78.74,46.47 78.22,46.99 76.72,46.99 75.45,45.72 ; v1(113.03,24.13) v1(113.03,19.56)
D5: length 211.9
  Top w0.2: U10.19 129.54,21.49 128.75,20.7 121.92,20.7 120.65,21.97 120.65,23.62 120.14,24.13 114.55,24.13 112.33,26.35 U2.14 ; IC11.13 38.1,47.35 38.46,46.99 43.38,46.99 44.04,46.33 44.04,42.37 49.71,36.7 55.14,36.7 56.08,37.64 59.49,37.64 63.8,41.96 72.34,41.96 73.53,40.77 73.53,40.21 74.37,39.37 75.69,39.37 76.2,39.88 76.2,41.4 76.71,41.91 78.36,41.91 79.4,42.95 79.4,43.54 78.54,44.4 76.72,44.4 75.5,43.18
  Bottom w0.2: IC11.13 TP71.1 ; 75.39,43.18 76.5,44.3 78.13,44.3 81.79,40.64 81.79,32.96 82.55,32.2 82.55,23.62 83.44,22.73 83.44,6.48 86.11,3.81 133.1,3.81 136.4,7.11 136.4,13.21 133.35,16.26 133.35,23.88 132.08,25.15 130.05,25.15 129.54,24.64 U10.19